# KiCad board poly_kb_molecule_16x5.kicad_pcb (continued)
## Routing (per net, layer and track width the routed paths; a pad name or vN(x,y) marks a point on that pad's centre or on a via; arc(x,y) is an arc through that point) (continued)
79.38,41.71 79.08,41.4 78.24,41.4 J5#50.10 ; J1#26.10 200.78,33.07 200.01,32.31 200.01,30.73 196.84,27.56 196.09,27.56 196.09,26.77 195.36,26.04 195,26.04 194.72,25.76 v1(194.72,25.19) ; 97.02,82.22 97.97,82.22 v1(98.3,82.55) ; R1#29.2 251.05,30.9 250.79,30.64 250.79,30.34 250.3,29.85 v1(250.3,29.1) 250.28,29.08 249.42,29.08 ; v1(42.32,63.29) 42.32,63.86 42.6,64.14 42.96,64.14 43.69,64.87 43.69,65.66 44.44,65.66 47.61,68.83 47.61,70.41 48.38,71.17 J1#5.10 ; J5#26.10 192.54,79.5 193.38,79.5 193.68,79.81 193.68,82.39 193.55,82.53 ; 192.27,82.22 193.22,82.22 v1(193.55,82.55) ; 211.32,82.22 212.27,82.22 v1(212.6,82.55) ; 174.5,25.38 174.63,25.24 174.63,22.66 174.33,22.35 173.49,22.35 J5#19.10 ; 269.75,63.48 269.88,63.34 269.88,60.76 269.58,60.45 268.74,60.45 J5#64.10 ; 215.39,84.71 213.95,86.15 v1(213.55,86.15) ; J5#63.10 21.09,22.35 21.93,22.35 22.23,22.66 22.23,25.24 22.1,25.38 ; v1(42.1,29) 42.5,29 43.94,27.56 ; 135.12,25.08 136.07,25.08 v1(136.4,25.4) ; 234.44,84.71 233,86.15 v1(232.6,86.15) ; 101.09,84.71 99.65,86.15 v1(99.25,86.15) ; v1(23.27,44.24) 23.27,44.81 23.55,45.09 23.91,45.09 24.64,45.82 24.64,46.61 25.39,46.61 28.56,49.78 28.56,51.36 29.33,52.12 J1#43.10 ; J1#64.10 200.78,52.12 200.01,51.36 200.01,49.78 196.84,46.61 196.09,46.61 196.09,45.82 195.36,45.09 195,45.09 194.72,44.81 v1(194.72,44.24) ; v1(42.1,48.05) 42.5,48.05 43.94,46.61 ; J5#16.10 287.79,3.3 288.63,3.3 288.93,3.61 288.93,6.19 288.8,6.33 ; J1#2.10 276.98,33.07 276.21,32.31 276.21,30.73 273.04,27.56 272.29,27.56 272.29,26.77 271.56,26.04 271.2,26.04 270.92,25.76 v1(270.92,25.19) ; J5#20.10 211.59,79.5 212.43,79.5 212.73,79.81 212.73,82.39 212.6,82.53 ; J5#80.10 192.54,41.4 193.38,41.4 193.68,41.71 193.68,44.29 193.55,44.43 ; J1#60.10 238.88,33.07 238.11,32.31 238.11,30.73 234.94,27.56 234.19,27.56 234.19,26.77 233.46,26.04 233.1,26.04 232.82,25.76 v1(232.82,25.19) ; 20.82,44.12 21.77,44.12 v1(22.1,44.45) ; R1#56.2 289.15,69 288.89,68.74 288.89,68.44 288.4,67.95 v1(288.4,67.2) 288.38,67.18 287.52,67.18 ; v1(156.4,9.95) 156.8,9.95 158.24,8.51 ; 234.44,46.61 233,48.05 v1(232.6,48.05) ; 196.34,46.61 194.9,48.05 v1(194.5,48.05) ; R1#8.2 3.4,30.9 3.14,30.64 3.14,30.34 2.65,29.85 v1(2.65,29.1) 2.63,29.08 1.77,29.08 ; 58.92,48.13 59.78,48.13 v1(59.8,48.15) 59.8,48.9 60.29,49.39 60.29,49.69 60.55,49.95 R1#25.2 ; J1#74.10 86.47,33.07 85.71,32.31 85.71,30.73 82.54,27.56 81.79,27.56 81.79,26.77 81.06,26.04 80.7,26.04 80.42,25.76 v1(80.42,25.19) ; 268.47,48.13 269.33,48.13 v1(269.35,48.15) 269.35,48.9 269.84,49.39 269.84,49.69 270.1,49.95 R1#77.2 ; v1(22.1,25.4) 21.77,25.08 20.82,25.08 ; v1(212.6,63.5) 212.27,63.17 211.32,63.17 ; v1(80.2,29) 80.6,29 82.04,27.56 ; 154.17,67.18 155.03,67.18 v1(155.05,67.2) 155.05,67.95 155.54,68.44 155.54,68.74 155.8,69 R1#38.2 ; v1(288.8,25.4) 288.47,25.08 287.52,25.08 ; J1#54.10 257.93,90.22 257.16,89.46 257.16,87.88 253.99,84.71 253.24,84.71 253.24,83.92 252.51,83.19 252.15,83.19 251.87,82.91 v1(251.87,82.34) ; 154.17,10.03 155.03,10.03 v1(155.05,10.05) 155.05,10.8 155.54,11.29 155.54,11.59 155.8,11.85 R1#39.2 ; 215.39,46.61 213.95,48.05 v1(213.55,48.05) ; R1#73.2 251.05,11.85 250.79,11.59 250.79,11.29 250.3,10.8 v1(250.3,10.05) 250.28,10.03 249.42,10.03 ; 268.47,67.18 269.33,67.18 v1(269.35,67.2) 269.35,67.95 269.84,68.44 269.84,68.74 270.1,69 R1#32.2 ; 250.7,82.53 250.83,82.39 250.83,79.81 250.53,79.5 249.69,79.5 J5#58.10 ; v1(213.77,6.14) 213.77,6.71 214.05,6.99 214.41,6.99 215.14,7.72 215.14,8.51 215.89,8.51 219.06,11.68 219.06,13.26 219.82,14.02 J1#21.10 ; J5#24.10 268.74,22.35 269.58,22.35 269.88,22.66 269.88,25.24 269.75,25.38 ; 77.97,10.03 78.83,10.03 v1(78.85,10.05) 78.85,10.8 79.34,11.29 79.34,11.59 79.6,11.85 R1#57.2 ; R1#11.2 193.9,11.85 193.64,11.59 193.64,11.29 193.15,10.8 v1(193.15,10.05) 193.13,10.03 192.27,10.03 ; v1(232.82,63.29) 232.82,63.86 233.1,64.14 233.46,64.14 234.19,64.87 234.19,65.66 234.94,65.66 238.11,68.83 238.11,70.41 238.88,71.17 J1#39.10 ; 173.22,6.03 174.17,6.03 v1(174.5,6.35) ; J5#25.10 154.44,60.45 155.28,60.45 155.58,60.76 155.58,63.34 155.45,63.48 ; 158.24,27.56 156.8,29 v1(156.4,29) ; v1(61.15,9.95) 61.55,9.95 62.99,8.51 ; v1(232.6,9.95) 233,9.95 234.44,8.51 ; v1(98.3,25.4) 97.97,25.08 97.02,25.08 ; 135.12,6.03 136.07,6.03 v1(136.4,6.35) ; J5#38.10 21.09,60.45 21.93,60.45 22.23,60.76 22.23,63.34 22.1,63.48 ; 231.65,63.48 231.78,63.34 231.78,60.76 231.48,60.45 230.64,60.45 J5#59.10 ; 287.52,63.17 288.47,63.17 v1(288.8,63.5) ; 58.92,86.23 59.78,86.23 v1(59.8,86.25) 59.8,87 60.29,87.49 60.29,87.79 60.55,88.05 R1#33.2 ; v1(251.87,6.14) 251.87,6.71 252.15,6.99 252.51,6.99 253.24,7.72 253.24,8.51 253.99,8.51 257.16,11.68 257.16,13.26 257.93,14.02 J1#46.10 ; 77.97,25.08 78.92,25.08 v1(79.25,25.4) ; v1(251.87,25.19) 251.87,25.76 252.15,26.04 252.51,26.04 253.24,26.77 253.24,27.56 253.99,27.56 257.16,30.73 257.16,32.31 257.93,33.07 J1#32.10 ; v1(250.7,63.5) 250.37,63.17 249.42,63.17 ; v1(23.05,29) 23.45,29 24.89,27.56 ; R1#43.2 174.85,11.85 174.59,11.59 174.59,11.29 174.1,10.8 v1(174.1,10.05) 174.08,10.03 173.22,10.03 ; 62.99,84.71 61.55,86.15 v1(61.15,86.15) ; v1(288.8,6.35) 288.47,6.03 287.52,6.03 ; J5#67.10 2.04,41.4 2.88,41.4 3.18,41.71 3.18,44.29 3.05,44.43 ; 173.22,44.12 174.17,44.12 v1(174.5,44.45) ; 192.27,29.08 193.13,29.08 v1(193.15,29.1) 193.15,29.85 193.64,30.34 193.64,30.64 193.9,30.9 R1#69.2 ; 230.37,6.03 231.32,6.03 v1(231.65,6.35) ; J5#8.10 21.09,41.4 21.93,41.4 22.23,41.71 22.23,44.29 22.1,44.43 ; 1.77,63.17 2.72,63.17 v1(3.05,63.5) ; 116.07,63.17 117.02,63.17 v1(117.35,63.5) ; J1#78.10 276.98,52.12 276.21,51.36 276.21,49.78 273.04,46.61 272.29,46.61 272.29,45.82 271.56,45.09 271.2,45.09 270.92,44.81 v1(270.92,44.24) ; 101.09,8.51 99.65,9.95 v1(99.25,9.95) ; R1#36.2 289.15,88.05 288.89,87.79 288.89,87.49 288.4,87 v1(288.4,86.25) 288.38,86.23 287.52,86.23 ; 272.54,65.66 271.1,67.1 v1(270.7,67.1) ; v1(213.55,29) 213.95,29 215.39,27.56 ; v1(99.25,48.05) 99.65,48.05 101.09,46.61 ; J5#78.10 287.79,79.5 288.63,79.5 288.93,79.81 288.93,82.39 288.8,82.53 ; J5#75.10 211.59,60.45 212.43,60.45 212.73,60.76 212.73,63.34 212.6,63.48 ; R1#7.2 98.65,30.9 98.39,30.64 98.39,30.34 97.9,29.85 v1(97.9,29.1) 97.88,29.08 97.02,29.08 ; v1(4,48.05) 4.4,48.05 5.84,46.61 ; v1(137.57,44.24) 137.57,44.81 137.85,45.09 138.21,45.09 138.94,45.82 138.94,46.61 139.69,46.61 142.86,49.78 142.86,51.36 143.62,52.12 J1#15.10 ; J1#22.10 86.47,90.22 85.71,89.46 85.71,87.88 82.54,84.71 81.79,84.71 81.79,83.92 81.06,83.19 80.7,83.19 80.42,82.91 v1(80.42,82.34) ; R1#79.2 79.6,88.05 79.34,87.79 79.34,87.49 78.85,87 v1(78.85,86.25) 78.83,86.23 77.97,86.23 ; 39.87,82.22 40.82,82.22 v1(41.15,82.55) ; 77.97,63.17 78.92,63.17 v1(79.25,63.5) ; R1.2 3.4,11.85 3.14,11.59 3.14,11.29 2.65,10.8 v1(2.65,10.05) 2.63,10.03 1.77,10.03 ; v1(289.75,86.15) 290.15,86.15 291.59,84.71 ; J5#41.10 249.69,22.35 250.53,22.35 250.83,22.66 250.83,25.24 250.7,25.38 ; 192.27,48.13 193.13,48.13 v1(193.15,48.15) 193.15,48.9 193.64,49.39 193.64,49.69 193.9,49.95 R1#53.2 ; v1(60.2,63.5) 59.87,63.17 58.92,63.17 ; v1(251.87,63.29) 251.87,63.86 252.15,64.14 252.51,64.14 253.24,64.87 253.24,65.66 253.99,65.66 257.16,68.83 257.16,70.41 257.93,71.17 J1#9.10 ; J1#77.10 10.27,71.17 9.51,70.41 9.51,68.83 6.34,65.66 5.59,65.66 5.59,64.87 4.86,64.14 4.5,64.14 4.22,63.86 v1(4.22,63.29) ; 24.89,8.51 23.45,9.95 v1(23.05,9.95) ; v1(79.25,44.45) 78.92,44.12 77.97,44.12 ; 39.87,86.23 40.73,86.23 v1(40.75,86.25) 40.75,87 41.24,87.49 41.24,87.79 41.5,88.05 R1#20.2 ; J5#74.10 135.39,60.45 136.23,60.45 136.53,60.76 136.53,63.34 136.4,63.48 ; 211.32,48.13 212.18,48.13 v1(212.2,48.15) 212.2,48.9 212.69,49.39 212.69,49.69 212.95,49.95 R1#76.2 ; 215.39,65.66 213.95,67.1 v1(213.55,67.1) ; v1(4.22,6.14) 4.22,6.71 4.5,6.99 4.86,6.99 5.59,7.72 5.59,8.51 6.34,8.51 9.51,11.68 9.51,13.26 10.27,14.02 J1#41.10 ; 3.05,63.48 3.18,63.34 3.18,60.76 2.88,60.45 2.04,60.45 J5#53.10 ; 249.42,25.08 250.37,25.08 v1(250.7,25.4) ; R1#46.2 193.9,88.05 193.64,87.79 193.64,87.49 193.15,87 v1(193.15,86.25) 193.13,86.23 192.27,86.23 ; v1(175.45,29) 175.85,29 177.29,27.56 ; v1(289.75,9.95) 290.15,9.95 291.59,8.51 ; R1#61.2 232,88.05 231.74,87.79 231.74,87.49 231.25,87 v1(231.25,86.25) 231.23,86.23 230.37,86.23 ; J1#56.10 143.62,33.07 142.86,32.31 142.86,30.73 139.69,27.56 138.94,27.56 138.94,26.77 138.21,26.04 137.85,26.04 137.57,25.76 v1(137.57,25.19) ; 272.54,8.51 271.1,9.95 v1(270.7,9.95) ; R1#66.2 251.05,69 250.79,68.74 250.79,68.44 250.3,67.95 v1(250.3,67.2) 250.28,67.18 249.42,67.18 ; v1(194.5,9.95) 194.9,9.95 196.34,8.51 ; v1(23.05,67.1) 23.45,67.1 24.89,65.66 ; R1#71.2 117.7,30.9 117.44,30.64 117.44,30.34 116.95,29.85 v1(116.95,29.1) 116.93,29.08 116.07,29.08 ; J5#31.10 40.14,41.4 40.98,41.4 41.28,41.71 41.28,44.29 41.15,44.43 ; v1(194.72,6.14) 194.72,6.71 195,6.99 195.36,6.99 196.09,7.72 196.09,8.51 196.84,8.51 200.01,11.68 200.01,13.26 200.78,14.02 J1#10.10 ; J5#9.10 59.19,3.3 60.03,3.3 60.33,3.61 60.33,6.19 60.2,6.33 ; J5#44.10 173.49,41.4 174.33,41.4 174.63,41.71 174.63,44.29 174.5,44.43 ; 97.02,63.17 97.97,63.17 v1(98.3,63.5) ; 82.04,65.66 80.6,67.1 v1(80.2,67.1) ; v1(99.47,44.24) 99.47,44.81 99.75,45.09 100.11,45.09 100.84,45.82 100.84,46.61 101.59,46.61 104.76,49.78 104.76,51.36 105.53,52.12 J1#8.10 ; 20.82,48.13 21.68,48.13 v1(21.7,48.15) 21.7,48.9 22.19,49.39 22.19,49.69 22.45,49.95 R1#15.2 ; 97.02,10.03 97.88,10.03 v1(97.9,10.05) 97.9,10.8 98.39,11.29 98.39,11.59 98.65,11.85 R1#17.2 ; 193.55,25.38 193.68,25.24 193.68,22.66 193.38,22.35 192.54,22.35 J5#45.10 ; R1#40.2 155.8,30.9 155.54,30.64 155.54,30.34 155.05,29.85 v1(155.05,29.1) 155.03,29.08 154.17,29.08 ; v1(156.4,86.15) 156.8,86.15 158.24,84.71 ; 43.94,84.71 42.5,86.15 v1(42.1,86.15) ; 268.47,29.08 269.33,29.08 v1(269.35,29.1) 269.35,29.85 269.84,30.34 269.84,30.64 270.1,30.9 R1#49.2 ; J1#42.10 181.72,14.02 180.96,13.26 180.96,11.68 177.79,8.51 177.04,8.51 177.04,7.72 176.31,6.99 175.95,6.99 175.67,6.71 v1(175.67,6.14) ; v1(193.55,63.5) 193.22,63.17 192.27,63.17 ; 291.59,27.56 290.15,29 v1(289.75,29) ; 173.22,29.08 174.08,29.08 v1(174.1,29.1) 174.1,29.85 174.59,30.34 174.59,30.64 174.85,30.9 R1#64.2 ; 249.42,6.03 250.37,6.03 v1(250.7,6.35) ; J1#53.10 124.57,90.22 123.81,89.46 123.81,87.88 120.64,84.71 119.89,84.71 119.89,83.92 119.16,83.19 118.8,83.19 118.52,82.91 v1(118.52,82.34) ; v1(61.37,82.34) 61.37,82.91 61.65,83.19 62.01,83.19 62.74,83.92 62.74,84.71 63.49,84.71 66.66,87.88 66.66,89.46 67.42,90.22 J1#35.10 ; R1#9.2 41.5,49.95 41.24,49.69 41.24,49.39 40.75,48.9 v1(40.75,48.15) 40.73,48.13 39.87,48.13 ; J5#66.10 116.34,3.3 117.18,3.3 117.48,3.61 117.48,6.19 117.35,6.33 ; v1(175.45,48.05) 175.85,48.05 177.29,46.61 ; J1.10 10.27,90.22 9.51,89.46 9.51,87.88 6.34,84.71 5.59,84.71 5.59,83.92 4.86,83.19 4.5,83.19 4.22,82.91 v1(4.22,82.34) ; 60.2,82.53 60.33,82.39 60.33,79.81 60.03,79.5 59.19,79.5 J5#56.10 ; v1(270.92,6.14) 270.92,6.71 271.2,6.99 271.56,6.99 272.29,7.72 272.29,8.51 273.04,8.51 276.21,11.68 276.21,13.26 276.98,14.02 J1#24.10 ; 154.17,86.23 155.03,86.23 v1(155.05,86.25) 155.05,87 155.54,87.49 155.54,87.79 155.8,88.05 R1#50.2 ; v1(137.35,9.95) 137.75,9.95 139.19,8.51 ; v1(175.67,44.24) 175.67,44.81 175.95,45.09 176.31,45.09 177.04,45.82 177.04,46.61 177.79,46.61 180.96,49.78 180.96,51.36 181.72,52.12 J1#67.10
/Keyboard/sheet605ED2EB/D-C: length 2867.2
  Top w0.254: 39.37,43.62 39.61,43.38 40.84,43.38 41.04,43.18 42.98,43.18 43.59,42.57 52.93,42.57 54.03,43.67 v1(54.46,43.67) 54.51,43.62 55.88,43.62 ; 208.28,24.58 206.91,24.58 v1(206.86,24.62) 206.43,24.62 205.33,23.52 195.99,23.52 195.38,24.13 193.44,24.13 193.24,24.33 192.01,24.33 191.77,24.58 ; 246.38,43.62 245.01,43.62 v1(244.96,43.67) 244.53,43.67 243.43,42.57 234.09,42.57 233.48,43.18 231.54,43.18 231.34,43.38 230.11,43.38 229.87,43.62 ; 151.13,62.67 149.76,62.67 v1(149.71,62.72) 149.28,62.72 148.18,61.62 138.84,61.62 138.23,62.23 136.29,62.23 136.09,62.43 134.86,62.43 134.62,62.67 ; 39.37,24.58 39.61,24.33 40.84,24.33 41.04,24.13 42.98,24.13 43.59,23.52 52.93,23.52 54.03,24.62 v1(54.46,24.62) 54.51,24.58 55.88,24.58 ; 93.98,43.62 92.61,43.62 v1(92.56,43.67) 92.13,43.67 91.03,42.57 81.69,42.57 81.08,43.18 79.14,43.18 78.94,43.38 77.71,43.38 77.47,43.62 ; 267.97,5.53 268.21,5.28 269.44,5.28 269.64,5.08 271.58,5.08 272.19,4.47 281.53,4.47 282.63,5.57 v1(283.06,5.57) 283.11,5.53 284.48,5.53 ; 189.23,5.53 187.86,5.53 v1(187.81,5.57) 187.38,5.57 186.28,4.47 176.94,4.47 176.33,5.08 174.39,5.08 174.19,5.28 172.96,5.28 172.72,5.53 ; 284.48,24.58 283.11,24.58 v1(283.06,24.62) 282.63,24.62 281.53,23.52 272.19,23.52 271.58,24.13 269.64,24.13 269.44,24.33 268.21,24.33 267.97,24.58 ; 189.23,24.58 187.86,24.58 v1(187.81,24.62) 187.38,24.62 186.28,23.52 176.94,23.52 176.33,24.13 174.39,24.13 174.19,24.33 172.96,24.33 172.72,24.58 ; 77.47,24.58 77.71,24.33 78.94,24.33 79.14,24.13 81.08,24.13 81.69,23.52 91.03,23.52 92.13,24.62 v1(92.56,24.62) 92.61,24.58 93.98,24.58 ; 153.67,62.67 153.91,62.43 155.14,62.43 155.34,62.23 157.28,62.23 157.89,61.62 167.23,61.62 168.33,62.72 v1(168.76,62.72) 168.81,62.67 170.18,62.67 ; 96.52,5.53 96.76,5.28 97.99,5.28 98.19,5.08 100.13,5.08 100.74,4.47 110.08,4.47 111.18,5.57 v1(111.61,5.57) 111.66,5.53 113.03,5.53 ; 227.33,24.58 225.96,24.58 v1(225.91,24.62) 225.48,24.62 224.38,23.52 215.04,23.52 214.43,24.13 212.49,24.13 212.29,24.33 211.06,24.33 210.82,24.58 ; 151.13,81.72 149.76,81.72 v1(149.71,81.77) 149.28,81.77 148.18,80.67 138.84,80.67 138.23,81.28 136.29,81.28 136.09,81.48 134.86,81.48 134.62,81.72 ; 58.42,43.62 58.66,43.38 59.89,43.38 60.09,43.18 62.03,43.18 62.64,42.57 71.98,42.57 73.08,43.67 v1(73.51,43.67) 73.56,43.62 74.93,43.62 ; 246.38,81.72 245.01,81.72 v1(244.96,81.77) 244.53,81.77 243.43,80.67 234.09,80.67 233.48,81.28 231.54,81.28 231.34,81.48 230.11,81.48 229.87,81.72 ; 115.57,62.67 115.81,62.43 117.04,62.43 117.24,62.23 119.18,62.23 119.79,61.62 129.13,61.62 130.23,62.72 v1(130.66,62.72) 130.71,62.67 132.08,62.67 ; 151.13,5.53 149.76,5.53 v1(149.71,5.57) 149.28,5.57 148.18,4.47 138.84,4.47 138.23,5.08 136.29,5.08 136.09,5.28 134.86,5.28 134.62,5.53 ; 20.32,24.58 20.56,24.33 21.79,24.33 21.99,24.13 23.93,24.13 24.54,23.52 33.88,23.52 34.98,24.62 v1(35.41,24.62) 35.46,24.58 36.83,24.58 ; 170.18,43.62 168.81,43.62 v1(168.76,43.67) 168.33,43.67 167.23,42.57 157.89,42.57 157.28,43.18 155.34,43.18 155.14,43.38 153.91,43.38 153.67,43.62 ; 191.77,81.72 192.01,81.48 193.24,81.48 193.44,81.28 195.38,81.28 195.99,80.67 205.33,80.67 206.43,81.77 v1(206.86,81.77) 206.91,81.72 208.28,81.72 ; 20.32,81.72 20.56,81.48 21.79,81.48 21.99,81.28 23.93,81.28 24.54,80.67 33.88,80.67 34.98,81.77 v1(35.41,81.77) 35.46,81.72 36.83,81.72 ; 284.48,62.67 283.11,62.67 v1(283.06,62.72) 282.63,62.72 281.53,61.62 272.19,61.62 271.58,62.23 269.64,62.23 269.44,62.43 268.21,62.43 267.97,62.67 ; 74.93,62.67 73.56,62.67 v1(73.51,62.72) 73.08,62.72 71.98,61.62 62.64,61.62 62.03,62.23 60.09,62.23 59.89,62.43 58.66,62.43 58.42,62.67 ; 55.88,62.67 54.51,62.67 v1(54.46,62.72) 54.03,62.72 52.93,61.62 43.59,61.62 42.98,62.23 41.04,62.23 40.84,62.43 39.61,62.43 39.37,62.67 ; 246.38,24.58 245.01,24.58 v1(244.96,24.62) 244.53,24.62 243.43,23.52 234.09,23.52 233.48,24.13 231.54,24.13 231.34,24.33 230.11,24.33 229.87,24.58 ; 246.38,5.53 245.01,5.53 v1(244.96,5.57) 244.53,5.57 243.43,4.47 234.09,4.47 233.48,5.08 231.54,5.08 231.34,5.28 230.11,5.28 229.87,5.53 ; 287.02,81.72 287.26,81.48 288.49,81.48 288.69,81.28 290.63,81.28 291.24,80.67 300.58,80.67 301.68,81.77 v1(302.11,81.77) 302.16,81.72 303.53,81.72 ; 287.02,43.62 287.26,43.38 288.49,43.38 288.69,43.18 290.63,43.18 291.24,42.57 300.58,42.57 301.68,43.67 v1(302.11,43.67) 302.16,43.62 303.53,43.62 ; 58.42,81.72 58.66,81.48 59.89,81.48 60.09,81.28 62.03,81.28 62.64,80.67 71.98,80.67 73.08,81.77 v1(73.51,81.77) 73.56,81.72 74.93,81.72 ; 287.02,5.53 287.26,5.28 288.49,5.28 288.69,5.08 290.63,5.08 291.24,4.47 300.58,4.47 301.68,5.57 v1(302.11,5.57) 302.16,5.53 303.53,5.53 ; 248.92,43.62 249.16,43.38 250.39,43.38 250.59,43.18 252.53,43.18 253.14,42.57 262.48,42.57 263.58,43.67 v1(264.01,43.67) 264.06,43.62 265.43,43.62 ; 132.08,24.58 130.71,24.58 v1(130.66,24.62) 130.23,24.62 129.13,23.52 119.79,23.52 119.18,24.13 117.24,24.13 117.04,24.33 115.81,24.33 115.57,24.58 ; 191.77,5.53 192.01,5.28 193.24,5.28 193.44,5.08 195.38,5.08 195.99,4.47 205.33,4.47 206.43,5.57 v1(206.86,5.57) 206.91,5.53 208.28,5.53 ; 189.23,62.67 187.86,62.67 v1(187.81,62.72) 187.38,62.72 186.28,61.62 176.94,61.62 176.33,62.23 174.39,62.23 174.19,62.43 172.96,62.43 172.72,62.67 ; 132.08,5.53 130.71,5.53 v1(130.66,5.57) 130.23,5.57 129.13,4.47 119.79,4.47 119.18,5.08 117.24,5.08 117.04,5.28 115.81,5.28 115.57,5.53 ; 229.87,62.67 230.11,62.43 231.34,62.43 231.54,62.23 233.48,62.23 234.09,61.62 243.43,61.62 244.53,62.72 v1(244.96,62.72) 245.01,62.67 246.38,62.67 ; 210.82,81.72 211.06,81.48 212.29,81.48 212.49,81.28 214.43,81.28 215.04,80.67 224.38,80.67 225.48,81.77 v1(225.91,81.77) 225.96,81.72 227.33,81.72 ; 1.27,81.72 1.51,81.48 2.74,81.48 2.94,81.28 4.88,81.28 5.49,80.67 14.83,80.67 15.93,81.77 v1(16.36,81.77) 16.41,81.72 17.78,81.72 ; 17.78,24.58 16.41,24.58 v1(16.36,24.62) 15.93,24.62 14.83,23.52 5.49,23.52 4.88,24.13 2.94,24.13 2.74,24.33 1.51,24.33 1.27,24.58 ; 132.08,43.62 130.71,43.62 v1(130.66,43.67) 130.23,43.67 129.13,42.57 119.79,42.57 119.18,43.18 117.24,43.18 117.04,43.38 115.81,43.38 115.57,43.62 ; 153.67,5.53 153.91,5.28 155.14,5.28 155.34,5.08 157.28,5.08 157.89,4.47 167.23,4.47 168.33,5.57 v1(168.76,5.57) 168.81,5.53 170.18,5.53 ; 36.83,62.67 35.46,62.67 v1(35.41,62.72) 34.98,62.72 33.88,61.62 24.54,61.62 23.93,62.23 21.99,62.23 21.79,62.43 20.56,62.43 20.32,62.67 ; 93.98,62.67 92.61,62.67 v1(92.56,62.72) 92.13,62.72 91.03,61.62 81.69,61.62 81.08,62.23 79.14,62.23 78.94,62.43 77.71,62.43 77.47,62.67 ; 284.48,81.72 283.11,81.72 v1(283.06,81.77) 282.63,81.77 281.53,80.67 272.19,80.67 271.58,81.28 269.64,81.28 269.44,81.48 268.21,81.48 267.97,81.72 ; 208.28,62.67 206.91,62.67 v1(206.86,62.72) 206.43,62.72 205.33,61.62 195.99,61.62 195.38,62.23 193.44,62.23 193.24,62.43 192.01,62.43 191.77,62.67 ; 248.92,5.53 249.16,5.28 250.39,5.28 250.59,5.08 252.53,5.08 253.14,4.47 262.48,4.47 263.58,5.57 v1(264.01,5.57) 264.06,5.53 265.43,5.53 ; 172.72,43.62 172.96,43.38 174.19,43.38 174.39,43.18 176.33,43.18 176.94,42.57 186.28,42.57 187.38,43.67 v1(187.81,43.67) 187.86,43.62 189.23,43.62 ; 113.03,62.67 111.66,62.67 v1(111.61,62.72) 111.18,62.72 110.08,61.62 100.74,61.62 100.13,62.23 98.19,62.23 97.99,62.43 96.76,62.43 96.52,62.67 ; 36.83,43.62 35.46,43.62 v1(35.41,43.67) 34.98,43.67 33.88,42.57 24.54,42.57 23.93,43.18 21.99,43.18 21.79,43.38 20.56,43.38 20.32,43.62 ; 227.33,5.53 225.96,5.53 v1(225.91,5.57) 225.48,5.57 224.38,4.47 215.04,4.47 214.43,5.08 212.49,5.08 212.29,5.28 211.06,5.28 210.82,5.53 ; 151.13,24.58 149.76,24.58 v1(149.71,24.62) 149.28,24.62 148.18,23.52 138.84,23.52 138.23,24.13 136.29,24.13 136.09,24.33 134.86,24.33 134.62,24.58 ; 287.02,24.58 287.26,24.33 288.49,24.33 288.69,24.13 290.63,24.13 291.24,23.52 300.58,23.52 301.68,24.62 v1(302.11,24.62) 302.16,24.58 303.53,24.58 ; 265.43,24.58 264.06,24.58 v1(264.01,24.62) 263.58,24.62 262.48,23.52 253.14,23.52 252.53,24.13 250.59,24.13 250.39,24.33 249.16,24.33 248.92,24.58 ; 1.27,43.62 1.51,43.38 2.74,43.38 2.94,43.18 4.88,43.18 5.49,42.57 14.83,42.57 15.93,43.67 v1(16.36,43.67) 16.41,43.62 17.78,43.62 ; 77.47,5.53 77.71,5.28 78.94,5.28 79.14,5.08 81.08,5.08 81.69,4.47 91.03,4.47 92.13,5.57 v1(92.56,5.57) 92.61,5.53 93.98,5.53 ; 74.93,5.53 73.56,5.53 v1(73.51,5.57) 73.08,5.57 71.98,4.47 62.64,4.47 62.03,5.08 60.09,5.08 59.89,5.28 58.66,5.28 58.42,5.53 ; 170.18,81.72 168.81,81.72 v1(168.76,81.77) 168.33,81.77 167.23,80.67 157.89,80.67 157.28,81.28 155.34,81.28 155.14,81.48 153.91,81.48 153.67,81.72 ; 115.57,81.72 115.81,81.48 117.04,81.48 117.24,81.28 119.18,81.28 119.79,80.67 129.13,80.67 130.23,81.77 v1(130.66,81.77) 130.71,81.72 132.08,81.72 ; 36.83,5.53 35.46,5.53 v1(35.41,5.57) 34.98,5.57 33.88,4.47 24.54,4.47 23.93,5.08 21.99,5.08 21.79,5.28 20.56,5.28 20.32,5.53 ; 153.67,24.58 153.91,24.33 155.14,24.33 155.34,24.13 157.28,24.13 157.89,23.52 167.23,23.52 168.33,24.62 v1(168.76,24.62) 168.81,24.58 170.18,24.58 ; 55.88,81.72 54.51,81.72 v1(54.46,81.77) 54.03,81.77 52.93,80.67 43.59,80.67 42.98,81.28 41.04,81.28 40.84,81.48 39.61,81.48 39.37,81.72 ; 113.03,24.58 111.66,24.58 v1(111.61,24.62) 111.18,24.62 110.08,23.52 100.74,23.52 100.13,24.13 98.19,24.13 97.99,24.33 96.76,24.33 96.52,24.58 ; 210.82,43.62 211.06,43.38 212.29,43.38 212.49,43.18 214.43,43.18 215.04,42.57 224.38,42.57 225.48,43.67 v1(225.91,43.67) 225.96,43.62 227.33,43.62 ; 93.98,81.72 92.61,81.72 v1(92.56,81.77) 92.13,81.77 91.03,80.67 81.69,80.67 81.08,81.28 79.14,81.28 78.94,81.48 77.71,81.48 77.47,81.72 ; 210.82,62.67 211.06,62.43 212.29,62.43 212.49,62.23 214.43,62.23 215.04,61.62 224.38,61.62 225.48,62.72 v1(225.91,62.72) 225.96,62.67 227.33,62.67 ; 96.52,43.62 96.76,43.38 97.99,43.38 98.19,43.18 100.13,43.18 100.74,42.57 110.08,42.57 111.18,43.67 v1(111.61,43.67) 111.66,43.62 113.03,43.62 ; 265.43,81.72 264.06,81.72 v1(264.01,81.77) 263.58,81.77 262.48,80.67 253.14,80.67 252.53,81.28 250.59,81.28 250.39,81.48 249.16,81.48 248.92,81.72 ; 287.02,62.67 287.26,62.43 288.49,62.43 288.69,62.23 290.63,62.23 291.24,61.62 300.58,61.62 301.68,62.72 v1(302.11,62.72) 302.16,62.67 303.53,62.67 ; 191.77,43.62 192.01,43.38 193.24,43.38 193.44,43.18 195.38,43.18 195.99,42.57 205.33,42.57 206.43,43.67 v1(206.86,43.67) 206.91,43.62 208.28,43.62 ; 151.13,43.62 149.76,43.62 v1(149.71,43.67) 149.28,43.67 148.18,42.57 138.84,42.57 138.23,43.18 136.29,43.18 136.09,43.38 134.86,43.38 134.62,43.62 ; 248.92,62.67 249.16,62.43 250.39,62.43 250.59,62.23 252.53,62.23 253.14,61.62 262.48,61.62 263.58,62.72 v1(264.01,62.72) 264.06,62.67 265.43,62.67 ; 267.97,43.62 268.21,43.38 269.44,43.38 269.64,43.18 271.58,43.18 272.19,42.57 281.53,42.57 282.63,43.67 v1(283.06,43.67) 283.11,43.62 284.48,43.62 ; 74.93,24.58 73.56,24.58 v1(73.51,24.62) 73.08,24.62 71.98,23.52 62.64,23.52 62.03,24.13 60.09,24.13 59.89,24.33 58.66,24.33 58.42,24.58 ; 55.88,5.53 54.51,5.53 v1(54.46,5.57) 54.03,5.57 52.93,4.47 43.59,4.47 42.98,5.08 41.04,5.08 40.84,5.28 39.61,5.28 39.37,5.53 ; 1.27,5.53 1.51,5.28 2.74,5.28 2.94,5.08 4.88,5.08 5.49,4.47 14.83,4.47 15.93,5.57 v1(16.36,5.57) 16.41,5.53 17.78,5.53 ; 172.72,81.72 172.96,81.48 174.19,81.48 174.39,81.28 176.33,81.28 176.94,80.67 186.28,80.67 187.38,81.77 v1(187.81,81.77) 187.86,81.72 189.23,81.72 ; 1.27,62.67 1.51,62.43 2.74,62.43 2.94,62.23 4.88,62.23 5.49,61.62 14.83,61.62 15.93,62.72 v1(16.36,62.72) 16.41,62.67 17.78,62.67 ; 96.52,81.72 96.76,81.48 97.99,81.48 98.19,81.28 100.13,81.28 100.74,80.67 110.08,80.67 111.18,81.77 v1(111.61,81.77) 111.66,81.72 113.03,81.72
  Top w1.5: J4#64.7 J3#4.7 ; J4#47.7 J3#42.7 ; J4#59.7 J3#13.7 ; J3#8.7 J4#36.7 ; J4#27.7 J3#62.7 ; J4#4.7 J3#19.7 ; J4#15.7 J3#54.7 ; J4#56.7 J3#12.7 ; J4#72.7 J3#30.7 ; J4#70.7 J3#28.7 ; J4#24.7 J3#56.7 ; J4#39.7 J3#60.7 ; J4#35.7 J3#14.7 ; J4#17.7 J3#50.7 ; J4#29.7 J3#59.7 ; J4#16.7 J3#2.7 ; J4#3.7 J3#36.7 ; J4#54.7 J3#72.7 ; J4#33.7 J3#7.7 ; J4#5.7 J3#11.7 ; J4#78.7 J3#26.7 ; J4#32.7 J3#37.7 ; J4#71.7 J3#33.7 ; J4#49.7 J3#70.7 ; J4#63.7 J3#55.7 ; J4#13.7 J3#44.7 ; J4#20.7 J3#41.7 ; J4#79.7 J3#77.7 ; J4#42.7 J3#21.7 ; J4#30.7 J3#73.7 ; J4#67.7 J3#58.7 ; J4#44.7 J3#25.7 ; J4#68.7 J3#35.7 ; J4#34.7 J3#65.7 ; J4#41.7 J3#18.7 ; J4#14.7 J3#43.7 ; J4#45.7 J3#51.7 ; J4#66.7 J3#61.7 ; J4#10.7 J3#49.7 ; J4#76.7 J3#78.7 ; J4#58.7 J3#23.7 ; J4#62.7 J3#16.7 ; J4#28.7 J3#3.7 ; J4#74.7 J3#48.7 ; J4#65.7 J3#63.7 ; J4#38.7 J3#5.7 ; J4#50.7 J3#47.7 ; J4#55.7 J3#68.7 ; J4#46.7 J3#76.7 ; J4#6.7 J3#80.7 ; J4#25.7 J3#17.7 ; J4#22.7 J3#67.7 ; J4#11.7 J3#27.7 ; J3#64.7 J4#61.7 ; J4#9.7 J3#39.7 ; J4#8.7 J3#46.7 ; J4#69.7 J3#38.7 ; J4#40.7 J3#9.7 ; J4#53.7 J3#45.7 ; J4#26.7 J3#32.7 ; J4#57.7 J3#74.7 ; J4#60.7 J3#15.7 ; J4#51.7 J3#10.7 ; J4#48.7 J3#79.7 ; J4#12.7 J3#66.7 ; J4#43.7 J3#53.7 ; J4#77.7 J3#71.7 ; J4.7 J3#40.7 ; J4#73.7 J3#52.7 ; J4#52.7 J3#22.7 ; J4#21.7 J3#6.7 ; J4#23.7 J3#69.7 ; J4#7.7 J3#24.7 ; J4#18.7 J3#34.7 ; J4#37.7 J3#75.7
  Bottom w0.254: v1(16.36,81.77) 16.04,82.09 16.04,82.64 16.01,82.67 16.01,83.25 16.27,83.51 16.27,85.12 15.18,86.2 15.18,87.96 15.31,88.09 15.31,91.67 15.18,91.8 15.18,91.8 14.02,92.96 11.68,92.96 11.27,92.56 J1.12 ; v1(168.76,24.62) 168.44,24.94 168.44,25.49 168.41,25.52 168.41,26.1 168.67,26.36 168.67,27.97 167.58,29.05 167.58,30.81 167.71,30.94 167.71,34.52 167.58,34.65 167.58,34.65 166.42,35.81 164.08,35.81 163.68,35.41 J1#16.12 ; v1(130.66,81.77) 130.34,82.09 130.34,82.64 130.31,82.67 130.31,83.25 130.57,83.51 130.57,85.12 129.48,86.2 129.48,87.96 129.61,88.09 129.61,91.67 129.48,91.8 129.48,91.8 128.32,92.96 125.98,92.96 125.57,92.56 J1#53.12 ; v1(302.11,5.57) 301.79,5.89 301.79,6.44 301.76,6.47 301.76,7.05 302.02,7.31 302.02,8.92 300.93,10 300.93,11.76 301.06,11.89 301.06,15.47 300.93,15.6 300.93,15.6 299.77,16.76 297.43,16.76 297.02,16.35 J1#44.12 ; v1(92.56,62.72) 92.24,63.04 92.24,63.59 92.21,63.62 92.21,64.2 92.47,64.46 92.47,66.07 91.38,67.15 91.38,68.91 91.51,69.04 91.51,72.62 91.38,72.75 91.38,72.75 90.22,73.91 87.88,73.91 87.47,73.5 J1#71.12 ; v1(225.91,24.62) 225.59,24.94 225.59,25.49 225.56,25.52 225.56,26.1 225.82,26.36 225.82,27.97 224.73,29.05 224.73,30.81 224.86,30.94 224.86,34.52 224.73,34.65 224.73,34.65 223.57,35.81 221.23,35.81 220.82,35.41 J1#50.12 ; J1#19.12 182.72,35.41 183.13,35.81 185.47,35.81 186.63,34.65 186.63,34.65 186.76,34.52 186.76,30.94 186.63,30.81 186.63,29.05 187.72,27.97 187.72,26.36 187.46,26.1 187.46,25.52 187.49,25.49 187.49,24.94 v1(187.81,24.62) ; v1(92.56,24.62) 92.24,24.94 92.24,25.49 92.21,25.52 92.21,26.1 92.47,26.36 92.47,27.97 91.38,29.05 91.38,30.81 91.51,30.94 91.51,34.52 91.38,34.65 91.38,34.65 90.22,35.81 87.88,35.81 87.47,35.41 J1#74.12 ; J1#68.12 163.68,16.35 164.08,16.76 166.42,16.76 167.58,15.6 167.58,15.6 167.71,15.47 167.71,11.89 167.58,11.76 167.58,10 168.67,8.92 168.67,7.31 168.41,7.05 168.41,6.47 168.44,6.44 168.44,5.89 v1(168.76,5.57) ; J1#43.12 30.33,54.45 30.73,54.86 33.07,54.86 34.23,53.7 34.23,53.7 34.36,53.57 34.36,49.99 34.23,49.86 34.23,48.1 35.32,47.02 35.32,45.41 35.06,45.15 35.06,44.57 35.09,44.54 35.09,43.99 v1(35.41,43.67) ; v1(225.91,81.77) 225.59,82.09 225.59,82.64 225.56,82.67 225.56,83.25 225.82,83.51 225.82,85.12 224.73,86.2 224.73,87.96 224.86,88.09 224.86,91.67 224.73,91.8 224.73,91.8 223.57,92.96 221.23,92.96 220.82,92.56 J1#75.12 ; J1#45.12 297.02,54.45 297.43,54.86 299.77,54.86 300.93,53.7 300.93,53.7 301.06,53.57 301.06,49.99 300.93,49.86 300.93,48.1 302.02,47.02 302.02,45.41 301.76,45.15 301.76,44.57 301.79,44.54 301.79,43.99 v1(302.11,43.67) ; v1(54.46,81.77) 54.14,82.09 54.14,82.64 54.11,82.67 54.11,83.25 54.37,83.51 54.37,85.12 53.28,86.2 53.28,87.96 53.41,88.09 53.41,91.67 53.28,91.8 53.28,91.8 52.12,92.96 49.78,92.96 49.38,92.56 J1#13.12 ; J1#3.12 30.33,35.41 30.73,35.81 33.07,35.81 34.23,34.65 34.23,34.65 34.36,34.52 34.36,30.94 34.23,30.81 34.23,29.05 35.32,27.97 35.32,26.36 35.06,26.1 35.06,25.52 35.09,25.49 35.09,24.94 v1(35.41,24.62) ; v1(54.46,62.72) 54.14,63.04 54.14,63.59 54.11,63.62 54.11,64.2 54.37,64.46 54.37,66.07 53.28,67.15 53.28,68.91 53.41,69.04 53.41,72.62 53.28,72.75 53.28,72.75 52.12,73.91 49.78,73.91 49.38,73.5 J1#5.12 ; J1#52.12 297.02,73.5 297.43,73.91 299.77,73.91 300.93,72.75 300.93,72.75 301.06,72.62 301.06,69.04 300.93,68.91 300.93,67.15 302.02,66.07 302.02,64.46 301.76,64.2 301.76,63.62 301.79,63.59 301.79,63.04 v1(302.11,62.72) ; v1(130.66,43.67) 130.34,43.99 130.34,44.54 130.31,44.57 130.31,45.15 130.57,45.41 130.57,47.02 129.48,48.1 129.48,49.86 129.61,49.99 129.61,53.57 129.48,53.7 129.48,53.7 128.32,54.86 125.98,54.86 125.57,54.45 J1#36.12 ; v1(225.91,43.67) 225.59,43.99 225.59,44.54 225.56,44.57 225.56,45.15 225.82,45.41 225.82,47.02 224.73,48.1 224.73,49.86 224.86,49.99 224.86,53.57 224.73,53.7 224.73,53.7 223.57,54.86 221.23,54.86 220.82,54.45 J1#40.12 ; J1#46.12 258.93,16.35 259.33,16.76 261.67,16.76 262.83,15.6 262.83,15.6 262.96,15.47 262.96,11.89 262.83,11.76 262.83,10 263.92,8.92 263.92,7.31 263.66,7.05 263.66,6.47 263.69,6.44 263.69,5.89 v1(264.01,5.57) ; v1(244.96,5.57) 244.64,5.89 244.64,6.44 244.61,6.47 244.61,7.05 244.87,7.31 244.87,8.92 243.78,10 243.78,11.76 243.91,11.89 243.91,15.47 243.78,15.6 243.78,15.6 242.62,16.76 240.28,16.76 239.88,16.35 J1#73.12 ; J1#30.12 163.68,73.5 164.08,73.91 166.42,73.91 167.58,72.75 167.58,72.75 167.71,72.62 167.71,69.04 167.58,68.91 167.58,67.15 168.67,66.07 168.67,64.46 168.41,64.2 168.41,63.62 168.44,63.59 168.44,63.04 v1(168.76,62.72) ; v1(92.56,5.57) 92.24,5.89 92.24,6.44 92.21,6.47 92.21,7.05 92.47,7.31 92.47,8.92 91.38,10 91.38,11.76 91.51,11.89 91.51,15.47 91.38,15.6 91.38,15.6 90.22,16.76 87.88,16.76 87.47,16.35 J1#51.12 ; v1(187.81,81.77) 187.49,82.09 187.49,82.64 187.46,82.67 187.46,83.25 187.72,83.51 187.72,85.12 186.63,86.2 186.63,87.96 186.76,88.09 186.76,91.67 186.63,91.8 186.63,91.8 185.47,92.96 183.13,92.96 182.72,92.56 J1#18.12 ; J1#24.12 277.98,16.35 278.38,16.76 280.72,16.76 281.88,15.6 281.88,15.6 282.01,15.47 282.01,11.89 281.88,11.76 281.88,10 282.97,8.92 282.97,7.31 282.71,7.05 282.71,6.47 282.74,6.44 282.74,5.89 v1(283.06,5.57) ; J1#15.12 144.62,54.45 145.03,54.86 147.37,54.86 148.53,53.7 148.53,53.7 148.66,53.57 148.66,49.99 148.53,49.86 148.53,48.1 149.62,47.02 149.62,45.41 149.36,45.15 149.36,44.57 149.39,44.54 149.39,43.99 v1(149.71,43.67) ; J1#59.12 106.53,16.35 106.93,16.76 109.27,16.76 110.43,15.6 110.43,15.6 110.56,15.47 110.56,11.89 110.43,11.76 110.43,10 111.52,8.92 111.52,7.31 111.26,7.05 111.26,6.47 111.29,6.44 111.29,5.89 v1(111.61,5.57) ; J1#77.12 11.27,73.5 11.68,73.91 14.02,73.91 15.18,72.75 15.18,72.75 15.31,72.62 15.31,69.04 15.18,68.91 15.18,67.15 16.27,66.07 16.27,64.46 16.01,64.2 16.01,63.62 16.04,63.59 16.04,63.04 v1(16.36,62.72) ; J1#62.12 182.72,73.5 183.13,73.91 185.47,73.91 186.63,72.75 186.63,72.75 186.76,72.62 186.76,69.04 186.63,68.91 186.63,67.15 187.72,66.07 187.72,64.46 187.46,64.2 187.46,63.62 187.49,63.59 187.49,63.04 v1(187.81,62.72) ; v1(35.41,62.72) 35.09,63.04 35.09,63.59 35.06,63.62 35.06,64.2 35.32,64.46 35.32,66.07 34.23,67.15 34.23,68.91 34.36,69.04 34.36,72.62 34.23,72.75 34.23,72.75 33.07,73.91 30.73,73.91 30.33,73.5 J1#58.12 ; v1(264.01,81.77) 263.69,82.09 263.69,82.64 263.66,82.67 263.66,83.25 263.92,83.51 263.92,85.12 262.83,86.2 262.83,87.96 262.96,88.09 262.96,91.67 262.83,91.8 262.83,91.8 261.67,92.96 259.33,92.96 258.93,92.56 J1#54.12 ; J1#63.12 144.62,92.56 145.03,92.96 147.37,92.96 148.53,91.8 148.53,91.8 148.66,91.67 148.66,88.09 148.53,87.96 148.53,86.2 149.62,85.12 149.62,83.51 149.36,83.25 149.36,82.67 149.39,82.64 149.39,82.09 v1(149.71,81.77) ; v1(111.61,62.72) 111.29,63.04 111.29,63.59 111.26,63.62 111.26,64.2 111.52,64.46 111.52,66.07 110.43,67.15 110.43,68.91 110.56,69.04 110.56,72.62 110.43,72.75 110.43,72.75 109.27,73.91 106.93,73.91 106.53,73.5 J1#33.12 ; v1(244.96,62.72) 244.64,63.04 244.64,63.59 244.61,63.62 244.61,64.2 244.87,64.46 244.87,66.07 243.78,67.15 243.78,68.91 243.91,69.04 243.91,72.62 243.78,72.75 243.78,72.75 242.62,73.91 240.28,73.91 239.88,73.5 J1#39.12 ; J1#32.12 258.93,35.41 259.33,35.81 261.67,35.81 262.83,34.65 262.83,34.65 262.96,34.52 262.96,30.94 262.83,30.81 262.83,29.05 263.92,27.97 263.92,26.36 263.66,26.1 263.66,25.52 263.69,25.49 263.69,24.94 v1(264.01,24.62) ; v1(73.51,24.62) 73.19,24.94 73.19,25.49 73.16,25.52 73.16,26.1 73.42,26.36 73.42,27.97 72.33,29.05 72.33,30.81 72.46,30.94 72.46,34.52 72.33,34.65 72.33,34.65 71.17,35.81 68.83,35.81 68.42,35.41 J1#4.12 ; J1#20.12 30.33,16.35 30.73,16.76 33.07,16.76 34.23,15.6 34.23,15.6 34.36,15.47 34.36,11.89 34.23,11.76 34.23,10 35.32,8.92 35.32,7.31 35.06,7.05 35.06,6.47 35.09,6.44 35.09,5.89 v1(35.41,5.57) ; v1(168.76,43.67) 168.44,43.99 168.44,44.54 168.41,44.57 168.41,45.15 168.67,45.41 168.67,47.02 167.58,48.1 167.58,49.86 167.71,49.99 167.71,53.57 167.58,53.7 167.58,53.7 166.42,54.86 164.08,54.86 163.68,54.45 J1#27.12 ; J1#65.12 68.42,73.5 68.83,73.91 71.17,73.91 72.33,72.75 72.33,72.75 72.46,72.62 72.46,69.04 72.33,68.91 72.33,67.15 73.42,66.07 73.42,64.46 73.16,64.2 73.16,63.62 73.19,63.59 73.19,63.04 v1(73.51,62.72) ; J1#26.12 201.78,35.41 202.18,35.81 204.52,35.81 205.68,34.65 205.68,34.65 205.81,34.52 205.81,30.94 205.68,30.81 205.68,29.05 206.77,27.97 206.77,26.36 206.51,26.1 206.51,25.52 206.54,25.49 206.54,24.94 v1(206.86,24.62) ; J1#25.12 163.68,92.56 164.08,92.96 166.42,92.96 167.58,91.8 167.58,91.8 167.71,91.67 167.71,88.09 167.58,87.96 167.58,86.2 168.67,85.12 168.67,83.51 168.41,83.25 168.41,82.67 168.44,82.64 168.44,82.09 v1(168.76,81.77) ; J1#61.12 239.88,92.56 240.28,92.96 242.62,92.96 243.78,91.8 243.78,91.8 243.91,91.67 243.91,88.09 243.78,87.96 243.78,86.2 244.87,85.12 244.87,83.51 244.61,83.25 244.61,82.67 244.64,82.64 244.64,82.09 v1(244.96,81.77) ; v1(283.06,43.67) 282.74,43.99 282.74,44.54 282.71,44.57 282.71,45.15 282.97,45.41 282.97,47.02 281.88,48.1 281.88,49.86 282.01,49.99 282.01,53.57 281.88,53.7 281.88,53.7 280.72,54.86 278.38,54.86 277.98,54.45 J1#78.12 ; v1(73.51,81.77) 73.19,82.09 73.19,82.64 73.16,82.67 73.16,83.25 73.42,83.51 73.42,85.12 72.33,86.2 72.33,87.96 72.46,88.09 72.46,91.67 72.33,91.8 72.33,91.8 71.17,92.96 68.83,92.96 68.42,92.56 J1#35.12 ; J1#12.12 11.27,54.45 11.68,54.86 14.02,54.86 15.18,53.7 15.18,53.7 15.31,53.57 15.31,49.99 15.18,49.86 15.18,48.1 16.27,47.02 16.27,45.41 16.01,45.15 16.01,44.57 16.04,44.54 16.04,43.99 v1(16.36,43.67) ; J1#55.12 49.38,16.35 49.78,16.76 52.12,16.76 53.28,15.6 53.28,15.6 53.41,15.47 53.41,11.89 53.28,11.76 53.28,10 54.37,8.92 54.37,7.31 54.11,7.05 54.11,6.47 54.14,6.44 54.14,5.89 v1(54.46,5.57) ; v1(244.96,43.67) 244.64,43.99 244.64,44.54 244.61,44.57 244.61,45.15 244.87,45.41 244.87,47.02 243.78,48.1 243.78,49.86 243.91,49.99 243.91,53.57 243.78,53.7 243.78,53.7 242.62,54.86 240.28,54.86 239.88,54.45 J1#48.12 ; J1#56.12 144.62,35.41 145.03,35.81 147.37,35.81 148.53,34.65 148.53,34.65 148.66,34.52 148.66,30.94 148.53,30.81 148.53,29.05 149.62,27.97 149.62,26.36 149.36,26.1 149.36,25.52 149.39,25.49 149.39,24.94 v1(149.71,24.62) ; J1#8.12 106.53,54.45 106.93,54.86 109.27,54.86 110.43,53.7 110.43,53.7 110.56,53.57 110.56,49.99 110.43,49.86 110.43,48.1 111.52,47.02 111.52,45.41 111.26,45.15 111.26,44.57 111.29,44.54 111.29,43.99 v1(111.61,43.67) ; J1#21.12 220.82,16.35 221.23,16.76 223.57,16.76 224.73,15.6 224.73,15.6 224.86,15.47 224.86,11.89 224.73,11.76 224.73,10 225.82,8.92 225.82,7.31 225.56,7.05 225.56,6.47 225.59,6.44 225.59,5.89 v1(225.91,5.57) ; J1#41.12 11.27,16.35 11.68,16.76 14.02,16.76 15.18,15.6 15.18,15.6 15.31,15.47 15.31,11.89 15.18,11.76 15.18,10 16.27,8.92 16.27,7.31 16.01,7.05 16.01,6.47 16.04,6.44 16.04,5.89 v1(16.36,5.57) ; J1#69.12 49.38,35.41 49.78,35.81 52.12,35.81 53.28,34.65 53.28,34.65 53.41,34.52 53.41,30.94 53.28,30.81 53.28,29.05 54.37,27.97 54.37,26.36 54.11,26.1 54.11,25.52 54.14,25.49 54.14,24.94 v1(54.46,24.62) ; v1(206.86,62.72) 206.54,63.04 206.54,63.59 206.51,63.62 206.51,64.2 206.77,64.46 206.77,66.07 205.68,67.15 205.68,68.91 205.81,69.04 205.81,72.62 205.68,72.75 205.68,72.75 204.52,73.91 202.18,73.91 201.78,73.5 J1#14.12 ; v1(302.11,24.62) 301.79,24.94 301.79,25.49 301.76,25.52 301.76,26.1 302.02,26.36 302.02,27.97 300.93,29.05 300.93,30.81 301.06,30.94 301.06,34.52 300.93,34.65 300.93,34.65 299.77,35.81 297.43,35.81 297.02,35.41 J1#49.12 ; J1#29.12 277.98,92.56 278.38,92.96 280.72,92.96 281.88,91.8 281.88,91.8 282.01,91.67 282.01,88.09 281.88,87.96 281.88,86.2 282.97,85.12 282.97,83.51 282.71,83.25 282.71,82.67 282.74,82.64 282.74,82.09 v1(283.06,81.77) ; v1(149.71,5.57) 149.39,5.89 149.39,6.44 149.36,6.47 149.36,7.05 149.62,7.31 149.62,8.92 148.53,10 148.53,11.76 148.66,11.89 148.66,15.47 148.53,15.6 148.53,15.6 147.37,16.76 145.03,16.76 144.62,16.35 J1#23.12 ; J1#11.12 125.57,16.35 125.98,16.76 128.32,16.76 129.48,15.6 129.48,15.6 129.61,15.47 129.61,11.89 129.48,11.76 129.48,10 130.57,8.92 130.57,7.31 130.31,7.05 130.31,6.47 130.34,6.44 130.34,5.89 v1(130.66,5.57) ; v1(73.51,43.67) 73.19,43.99 73.19,44.54 73.16,44.57 73.16,45.15 73.42,45.41 73.42,47.02 72.33,48.1 72.33,49.86 72.46,49.99 72.46,53.57 72.33,53.7 72.33,53.7 71.17,54.86 68.83,54.86 68.42,54.45 J1#70.12 ; J1#38.12 87.47,54.45 87.88,54.86 90.22,54.86 91.38,53.7 91.38,53.7 91.51,53.57 91.51,49.99 91.38,49.86 91.38,48.1 92.47,47.02 92.47,45.41 92.21,45.15 92.21,44.57 92.24,44.54 92.24,43.99 v1(92.56,43.67) ; v1(302.11,81.77) 301.79,82.09 301.79,82.64 301.76,82.67 301.76,83.25 302.02,83.51 302.02,85.12 300.93,86.2 300.93,87.96 301.06,88.09 301.06,91.67 300.93,91.8 300.93,91.8 299.77,92.96 297.43,92.96 297.02,92.56 J1#79.12 ; J1#80.12 106.53,35.41 106.93,35.81 109.27,35.81 110.43,34.65 110.43,34.65 110.56,34.52 110.56,30.94 110.43,30.81 110.43,29.05 111.52,27.97 111.52,26.36 111.26,26.1 111.26,25.52 111.29,25.49 111.29,24.94 v1(111.61,24.62) ; v1(73.51,5.57) 73.19,5.89 73.19,6.44 73.16,6.47 73.16,7.05 73.42,7.31 73.42,8.92 72.33,10 72.33,11.76 72.46,11.89 72.46,15.47 72.33,15.6 72.33,15.6 71.17,16.76 68.83,16.76 68.42,16.35 J1#57.12 ; J1#67.12 182.72,54.45 183.13,54.86 185.47,54.86 186.63,53.7 186.63,53.7 186.76,53.57 186.76,49.99 186.63,49.86 186.63,48.1 187.72,47.02 187.72,45.41 187.46,45.15 187.46,44.57 187.49,44.54 187.49,43.99 v1(187.81,43.67) ; J1#6.12 125.57,35.41 125.98,35.81 128.32,35.81 129.48,34.65 129.48,34.65 129.61,34.52 129.61,30.94 129.48,30.81 129.48,29.05 130.57,27.97 130.57,26.36 130.31,26.1 130.31,25.52 130.34,25.49 130.34,24.94 v1(130.66,24.62) ; v1(206.86,81.77) 206.54,82.09 206.54,82.64 206.51,82.67 206.51,83.25 206.77,83.51 206.77,85.12 205.68,86.2 205.68,87.96 205.81,88.09 205.81,91.67 205.68,91.8 205.68,91.8 204.52,92.96 202.18,92.96 201.78,92.56 J1#31.12 ; v1(54.46,43.67) 54.14,43.99 54.14,44.54 54.11,44.57 54.11,45.15 54.37,45.41 54.37,47.02 53.28,48.1 53.28,49.86 53.41,49.99 53.41,53.57 53.28,53.7 53.28,53.7 52.12,54.86 49.78,54.86 49.38,54.45 J1#17.12 ; v1(92.56,81.77) 92.24,82.09 92.24,82.64 92.21,82.67 92.21,83.25 92.47,83.51 92.47,85.12 91.38,86.2 91.38,87.96 91.51,88.09 91.51,91.67 91.38,91.8 91.38,91.8 90.22,92.96 87.88,92.96 87.47,92.56 J1#22.12 ; J1#76.12 106.53,92.56 106.93,92.96 109.27,92.96 110.43,91.8 110.43,91.8 110.56,91.67 110.56,88.09 110.43,87.96 110.43,86.2 111.52,85.12 111.52,83.51 111.26,83.25 111.26,82.67 111.29,82.64 111.29,82.09 v1(111.61,81.77) ; v1(16.36,24.62) 16.04,24.94 16.04,25.49 16.01,25.52 16.01,26.1 16.27,26.36 16.27,27.97 15.18,29.05 15.18,30.81 15.31,30.94 15.31,34.52 15.18,34.65 15.18,34.65 14.02,35.81 11.68,35.81 11.27,35.41 J1#7.12 ; v1(264.01,43.67) 263.69,43.99 263.69,44.54 263.66,44.57 263.66,45.15 263.92,45.41 263.92,47.02 262.83,48.1 262.83,49.86 262.96,49.99 262.96,53.57 262.83,53.7 262.83,53.7 261.67,54.86 259.33,54.86 258.93,54.45 J1#66.12 ; v1(130.66,62.72) 130.34,63.04 130.34,63.59 130.31,63.62 130.31,64.2 130.57,64.46 130.57,66.07 129.48,67.15 129.48,68.91 129.61,69.04 129.61,72.62 129.48,72.75 129.48,72.75 128.32,73.91 125.98,73.91 125.57,73.5 J1#37.12 ; J1#9.12 258.93,73.5 259.33,73.91 261.67,73.91 262.83,72.75 262.83,72.75 262.96,72.62 262.96,69.04 262.83,68.91 262.83,67.15 263.92,66.07 263.92,64.46 263.66,64.2 263.66,63.62 263.69,63.59 263.69,63.04 v1(264.01,62.72) ; v1(244.96,24.62) 244.64,24.94 244.64,25.49 244.61,25.52 244.61,26.1 244.87,26.36 244.87,27.97 243.78,29.05 243.78,30.81 243.91,30.94 243.91,34.52 243.78,34.65 243.78,34.65 242.62,35.81 240.28,35.81 239.88,35.41 J1#60.12 ; J1#34.12 277.98,73.5 278.38,73.91 280.72,73.91 281.88,72.75 281.88,72.75 282.01,72.62 282.01,69.04 281.88,68.91 281.88,67.15 282.97,66.07 282.97,64.46 282.71,64.2 282.71,63.62 282.74,63.59 282.74,63.04 v1(283.06,62.72) ; v1(225.91,62.72) 225.59,63.04 225.59,63.59 225.56,63.62 225.56,64.2 225.82,64.46 225.82,66.07 224.73,67.15 224.73,68.91 224.86,69.04 224.86,72.62 224.73,72.75 224.73,72.75 223.57,73.91 221.23,73.91 220.82,73.5 J1#72.12 ; v1(283.06,24.62) 282.74,24.94 282.74,25.49 282.71,25.52 282.71,26.1 282.97,26.36 282.97,27.97 281.88,29.05 281.88,30.81 282.01,30.94 282.01,34.52 281.88,34.65 281.88,34.65 280.72,35.81 278.38,35.81 277.98,35.41 J1#2.12 ; J1#10.12 201.78,16.35 202.18,16.76 204.52,16.76 205.68,15.6 205.68,15.6 205.81,15.47 205.81,11.89 205.68,11.76 205.68,10 206.77,8.92 206.77,7.31 206.51,7.05 206.51,6.47 206.54,6.44 206.54,5.89 v1(206.86,5.57) ; v1(35.41,81.77) 35.09,82.09 35.09,82.64 35.06,82.67 35.06,83.25 35.32,83.51 35.32,85.12 34.23,86.2 34.23,87.96 34.36,88.09 34.36,91.67 34.23,91.8 34.23,91.8 33.07,92.96 30.73,92.96 30.33,92.56 J1#47.12 ; v1(187.81,5.57) 187.49,5.89 187.49,6.44 187.46,6.47 187.46,7.05 187.72,7.31 187.72,8.92 186.63,10 186.63,11.76 186.76,11.89 186.76,15.47 186.63,15.6 186.63,15.6 185.47,16.76 183.13,16.76 182.72,16.35 J1#42.12 ; J1#28.12 144.62,73.5 145.03,73.91 147.37,73.91 148.53,72.75 148.53,72.75 148.66,72.62 148.66,69.04 148.53,68.91 148.53,67.15 149.62,66.07 149.62,64.46 149.36,64.2 149.36,63.62 149.39,63.59 149.39,63.04 v1(149.71,62.72) ; v1(206.86,43.67) 206.54,43.99 206.54,44.54 206.51,44.57 206.51,45.15 206.77,45.41 206.77,47.02 205.68,48.1 205.68,49.86 205.81,49.99 205.81,53.57 205.68,53.7 205.68,53.7 204.52,54.86 202.18,54.86 201.78,54.45 J1#64.12
